# Altium PCB PCB2.PcbDoc
Units mil, origin at the board's own origin, x right, y up, seen from the top; angles counter-clockwise.
Board outline 3700 x 2670 mil, 4 copper layers (Top Layer, Mid Layer 1, Mid Layer 2, Bottom Layer), stack 61.811 mil thick; 88 components, 154 nets, 522 pads, 83 vias.
Unrouted connection lines stored in the file: 284.
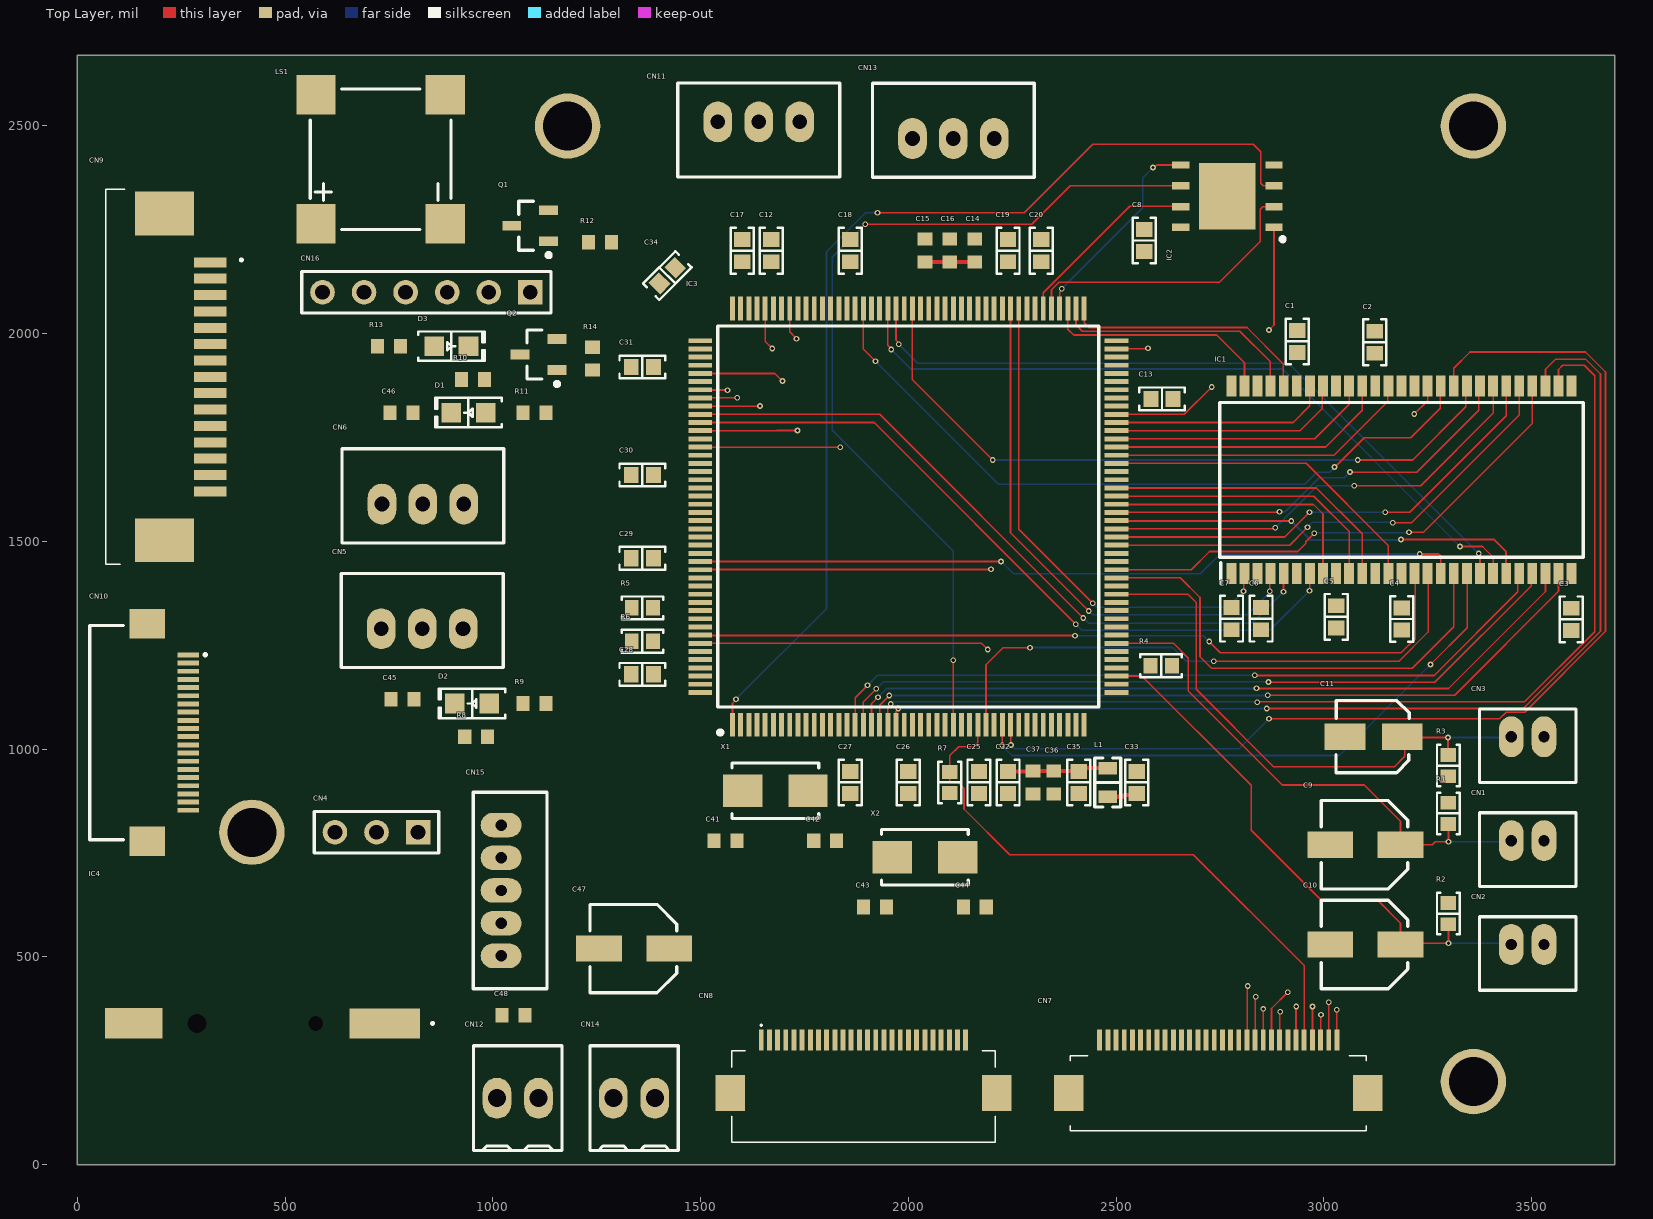
[diagram p0: Top Layer view]
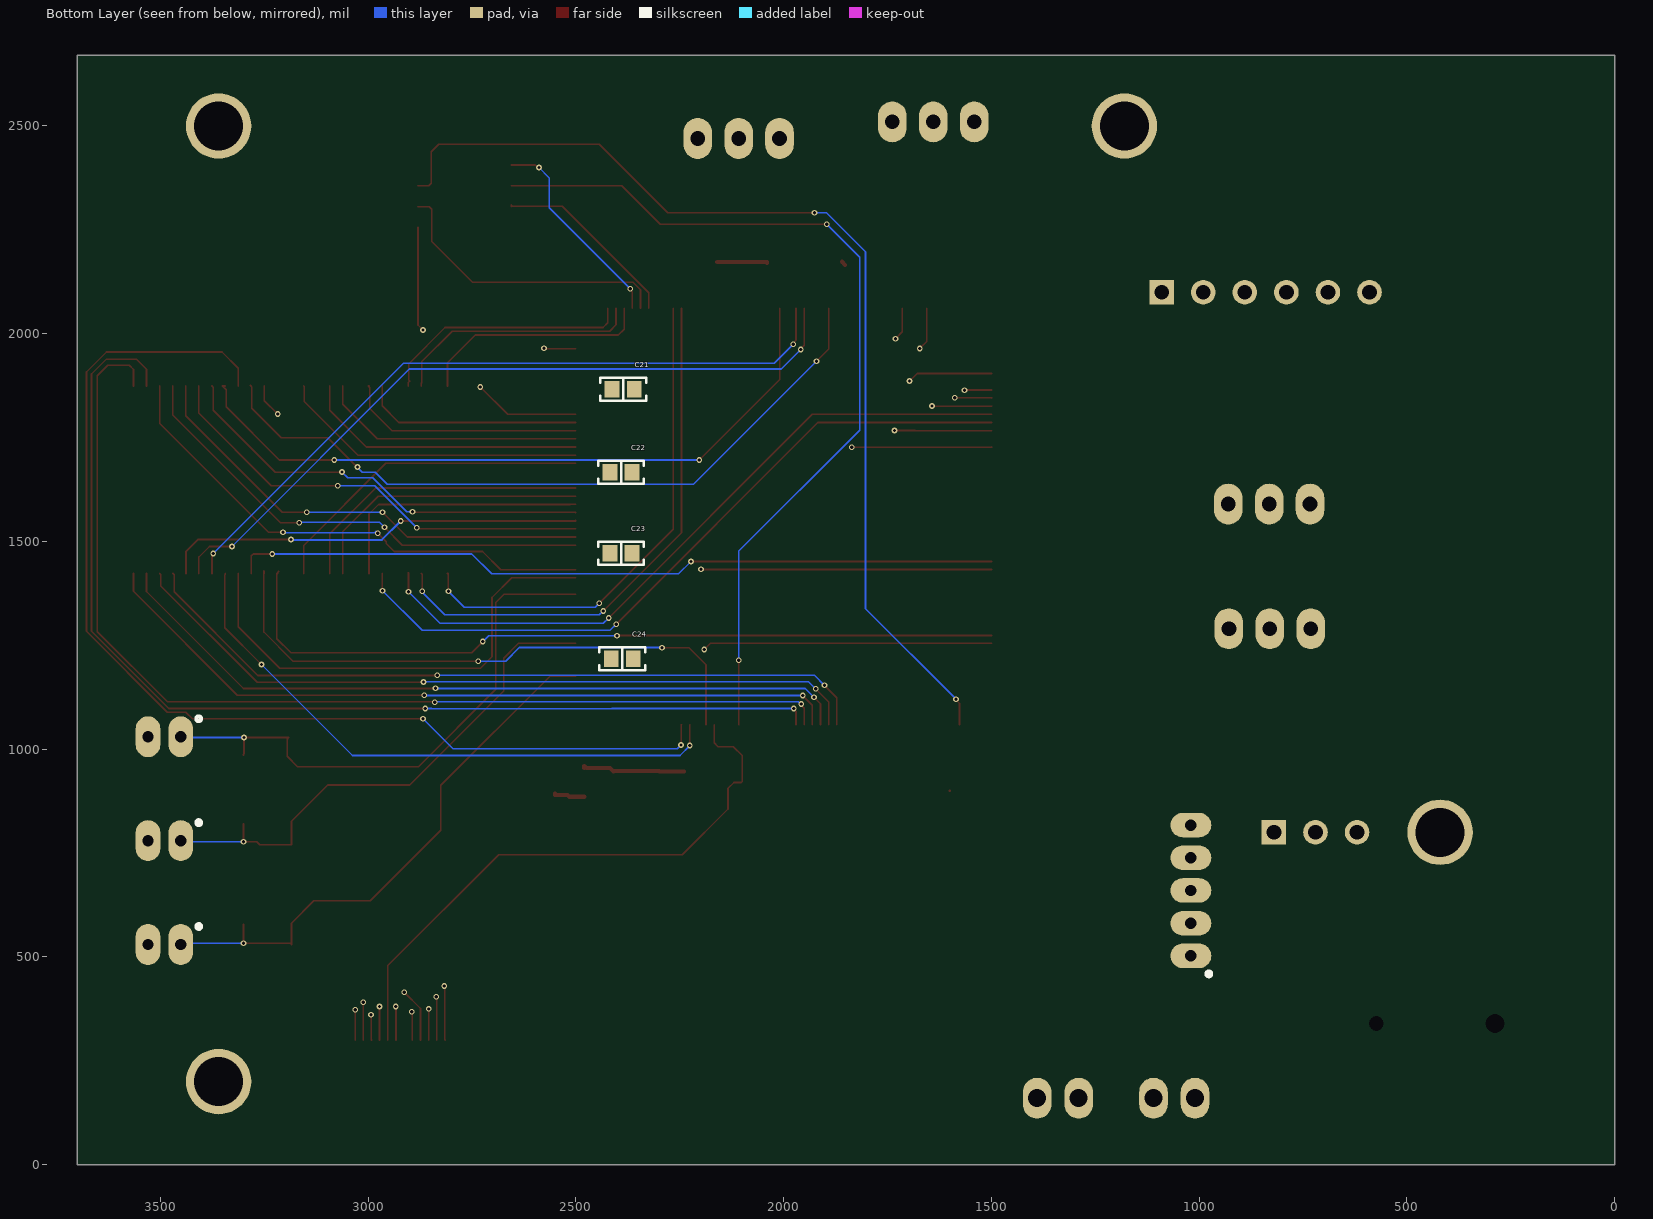
[diagram p1: Bottom Layer view, seen from below]
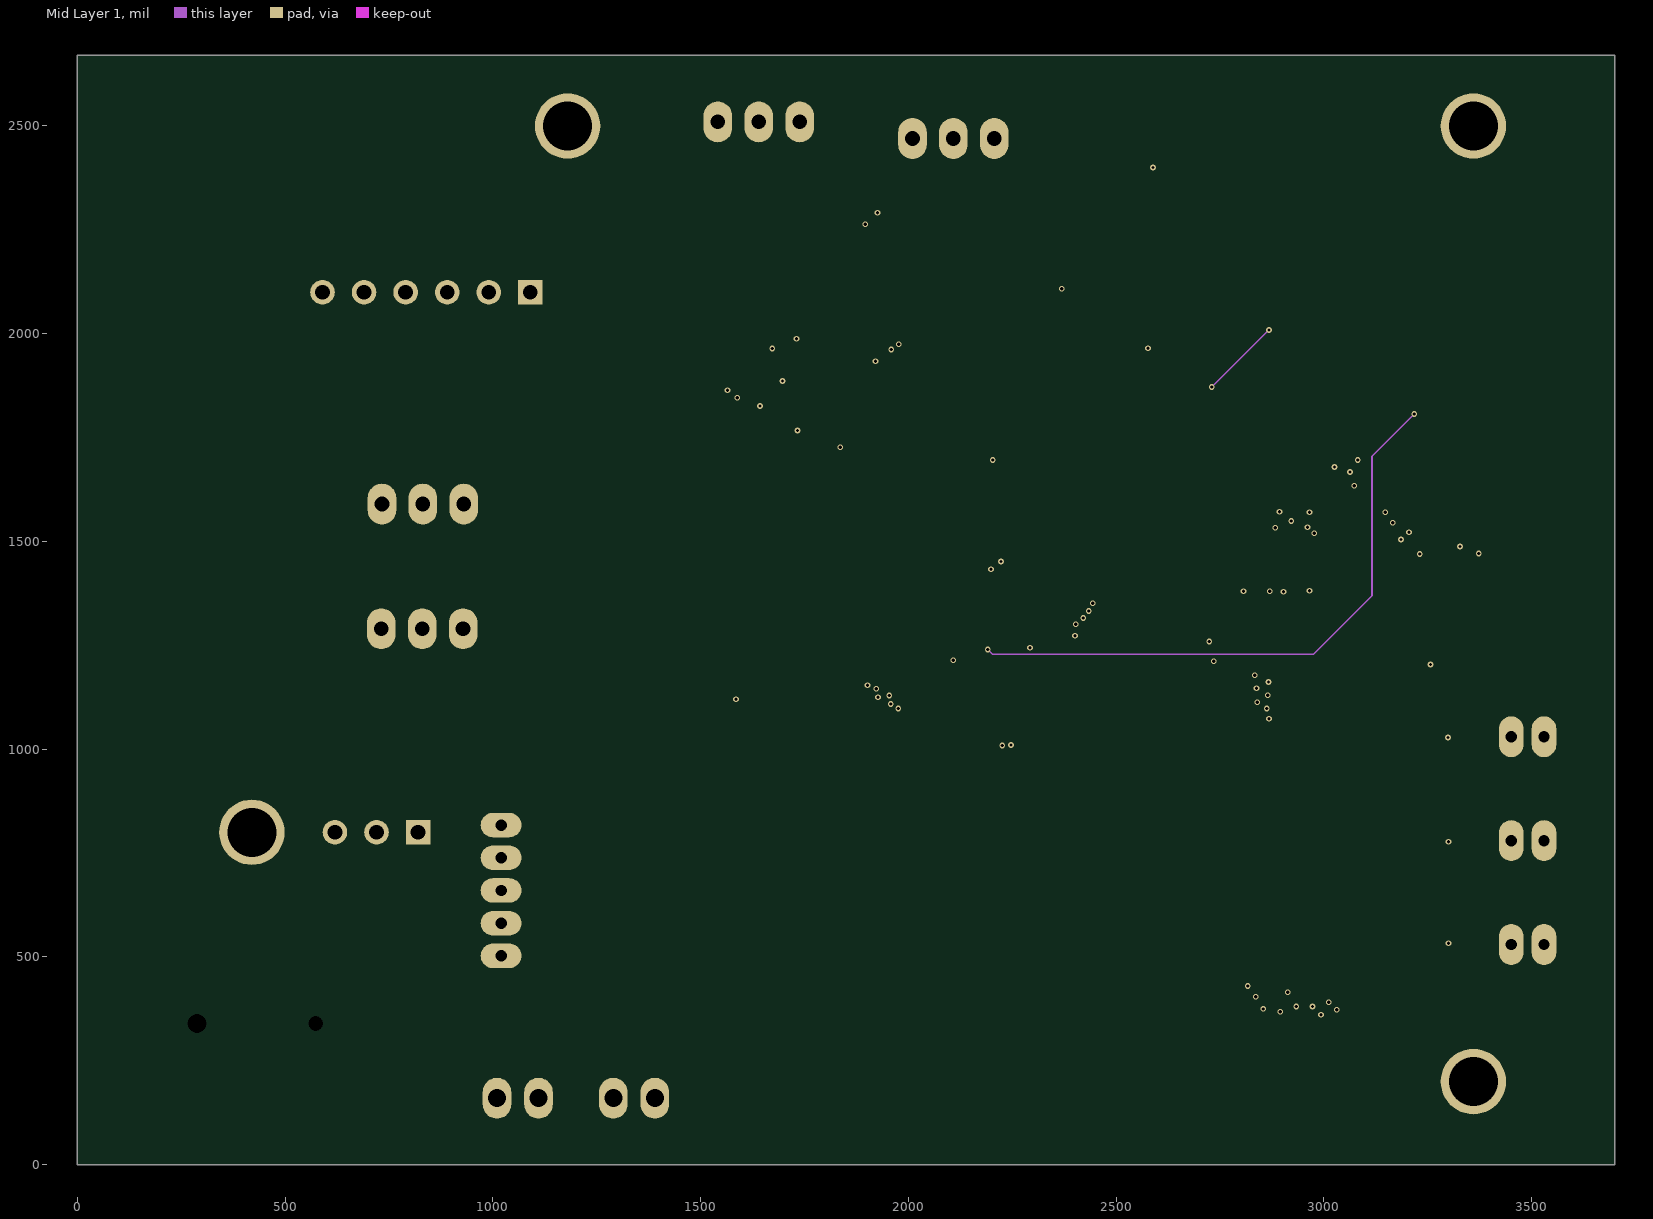
[diagram p2: Mid Layer 1]
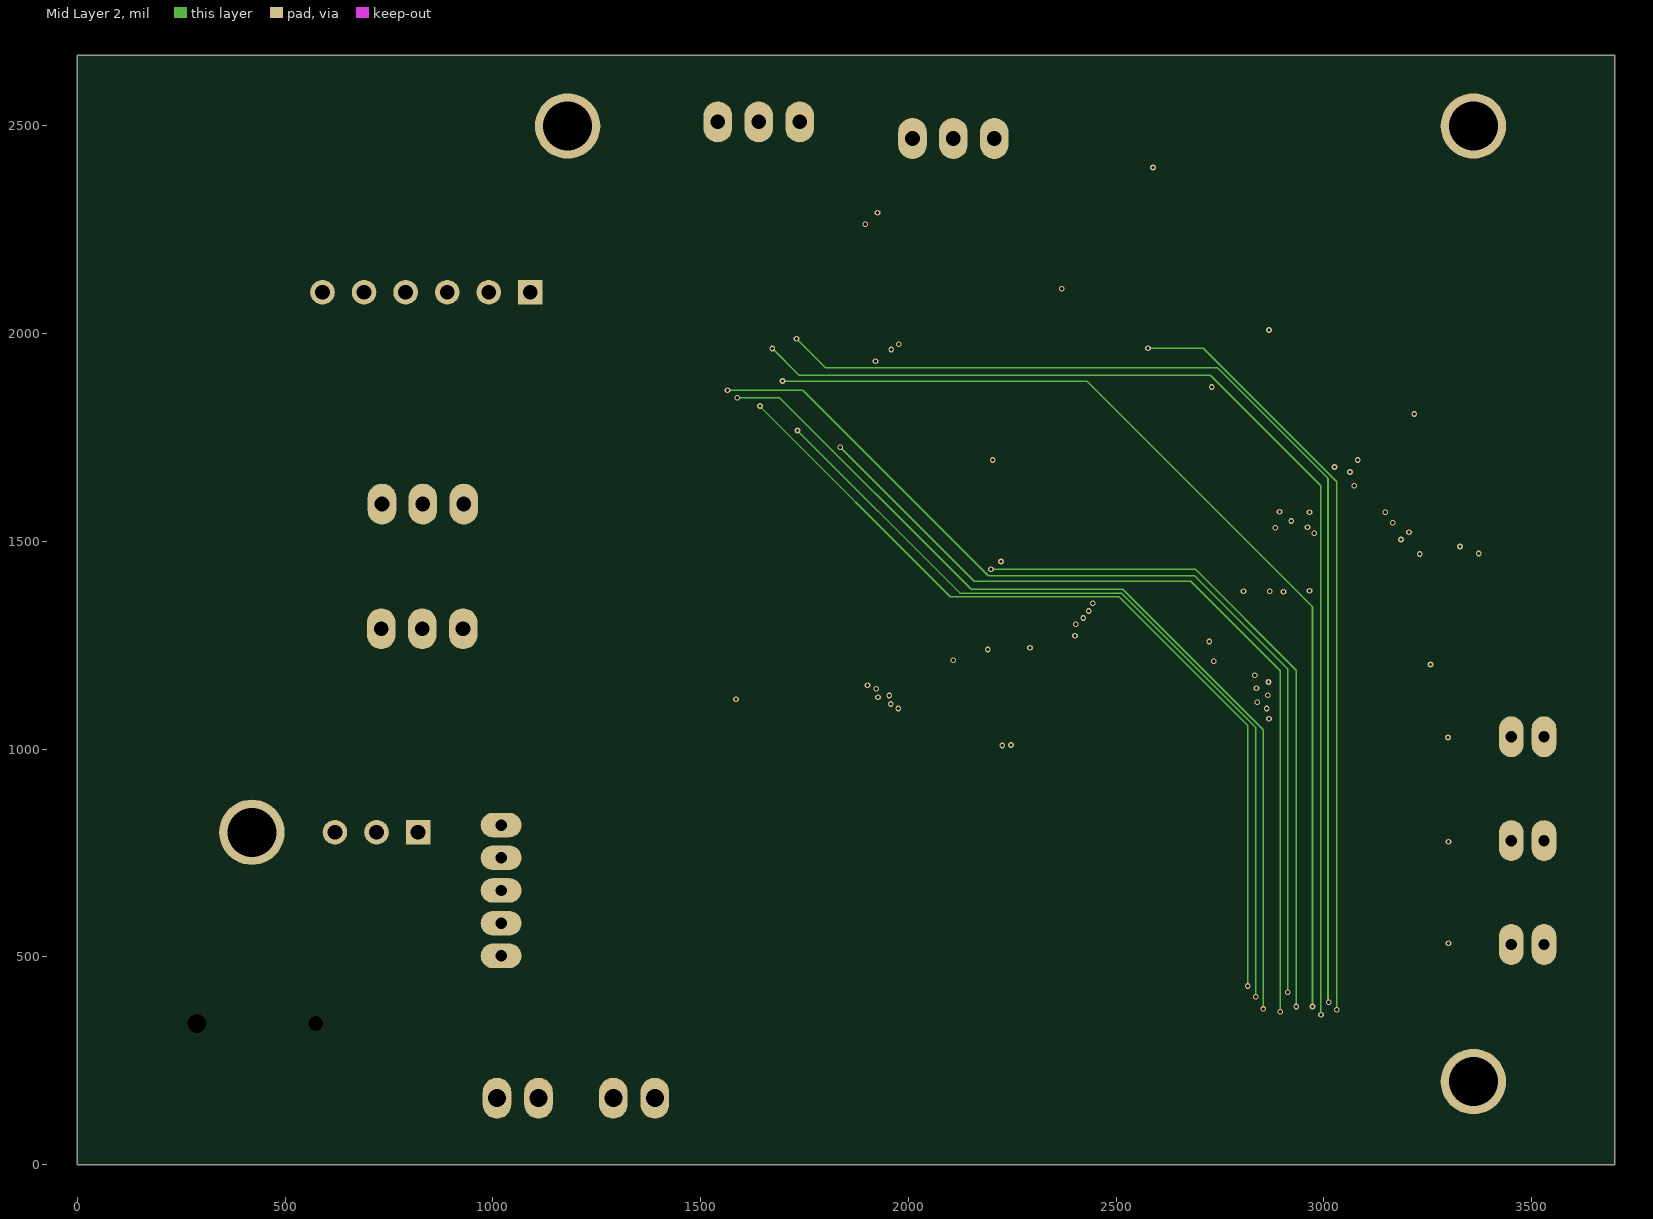
[diagram p3: Mid Layer 2]

## Layer stack, top to bottom
Top Solder: solder mask 0.5, Solder Resist, Dk 3.8
Top Layer: signal copper 1.378
Dielectric 1: prepreg 3.937, 2313, Dk 4.05
Mid Layer 1: signal copper 0.689
Core: core 49.8031, FR-4, Dk 4.5
Mid Layer 2: signal copper 0.689
Dielectric 2: prepreg 3.937, 2313, Dk 4.05
Bottom Layer: signal copper 1.378
Bottom Solder: solder mask 0.5, Solder Resist, Dk 3.8

## Board outline
0,0 0,2670 3700,2670 3700,0

## Design rules (kind name [scope] priority, off if disabled: settings)
BoardOutlineClearance [All] p1: gap=7.87 ignorepadtopadclearanceinfootprint=FALSE
Clearance [All] p1: gap=5 ignorepadtopadclearanceinfootprint=FALSE except(9.84: Arc-Hole Track-Hole SMDPad-Hole THPad-Hole Via-Hole Fill-Hole Poly-Hole Region-Hole Text-Hole)
ComponentClearance [All] p1: gap=5 collisioncheckmode=3 verticalgap=5 showdistances=TRUE
DiffPairsRouting [All] p1: maxlimit=10 minlimit=5 mostfreqgap=10 toplayer_prefgap=5 toplayer_minwidth=5 toplayer_maxwidth=1000 toplayer_prefwidth=5 midlayer1_mingap=10 midlayer1_minwidth=15 midlayer1_maxwidth=15 midlayer1_prefwidth=15 midlayer2_mingap=10 midlayer2_minwidth=15 midlayer2_maxwidth=15 midlayer2_prefwidth=15 bottomlayer_prefgap=5 bottomlayer_minwidth=5 bottomlayer_maxwidth=1000 bottomlayer_prefwidth=5 maxuncoupledlength=500
Height [All] p1: minheight=0 maxheight=71497.94 prefheight=500
HoleSize [All] p1: absolutevalues=TRUE maxlimit=7.87 minlimit=7.87 maxpercent=80.000 minpercent=20.000
HoleToHoleClearance [All] p1: gap=9.84 allowstackedmicrovias=FALSE
MatchedLengths MatchedLengths_4 [InNetClass('uSD_D[0..3]')] p1: tolerance=400 checknetsindiffpair=FALSE checkdiffpairvsdiffpair=TRUE checkxsignals=TRUE checkothers=TRUE
MatchedLengths MatchedLengths_3 [InNetClass('SIO[0..3]')] p2: tolerance=400 checknetsindiffpair=FALSE checkdiffpairvsdiffpair=TRUE checkxsignals=TRUE checkothers=TRUE
MatchedLengths MatchedLengths_2 [InNetClass('DQ[0..15]')] p3: tolerance=400 checknetsindiffpair=FALSE checkdiffpairvsdiffpair=TRUE checkxsignals=TRUE checkothers=TRUE
MatchedLengths MatchedLengths_1 [InNetClass('DOUT[0..9]')] p4: tolerance=400 checknetsindiffpair=FALSE checkdiffpairvsdiffpair=TRUE checkxsignals=TRUE checkothers=TRUE
MatchedLengths [InNetClass('A[0..12]')] p5: tolerance=400 checknetsindiffpair=FALSE checkdiffpairvsdiffpair=TRUE checkxsignals=TRUE checkothers=TRUE
MinimumAnnularRing [All] p1: minimumring=2.95
MinimumSolderMaskSliver [All] p1: minsoldermaskwidth=0
PlaneClearance [All] p1: clearance=5
PlaneConnect PlaneConnectPowerPads [InPadClass('PowerPads')] p1: planeconnectstyle=Direct reliefexpansion=20 reliefentries=4 reliefconductorwidth=10 reliefairgap=10
PlaneConnect [All] p2: pad.planeconnectstyle=Relief pad.reliefexpansion=11.81 pad.reliefentries=4 pad.reliefconductorwidth=5 pad.reliefairgap=5 via.planeconnectstyle=Direct via.reliefexpansion=11.81 via.reliefentries=4 via.reliefconductorwidth=5 via.reliefairgap=5
PolygonConnect PolygonConnectPowerPads [All vs (InPadClass('PowerPads'))] p1: connectstyle=Direct reliefconductorwidth=10 reliefentries=4 polygonreliefangle="90 Angle" airgapwidth=10
PolygonConnect [All] p2: thpad.connectstyle=Relief thpad.reliefconductorwidth=5 thpad.reliefentries=4 thpad.polygonreliefangle="90 Angle" thpad.airgapwidth=5 smdpad.connectstyle=Relief smdpad.reliefconductorwidth=5 smdpad.reliefentries=4 smdpad.polygonreliefangle="90 Angle" smdpad.airgapwidth=5 via.connectstyle=Direct via.reliefconductorwidth=5 via.reliefentries=4 via.polygonreliefangle="90 Angle" via.airgapwidth=5
RoutingVias [All] p1: holewidth=7.87 width=13.78 viastyle="Through Hole" minholewidth=7.87 minwidth=13.78 maxholewidth=7.87 maxwidth=13.78
SilkToSilkClearance [All] p1: silktosilkclearance=0
SilkToSolderMaskClearance [IsPad] p1: minsilkscreentomaskgap=5 clearancetoexposedcopper=TRUE
SolderMaskExpansion [All] p1: expansion=2.95 istentingtop=FALSE
Width Width_2 [InNet('5V')] p1: maxlimit=10 minlimit=10 preferedwidth=10
Width Width_1 [InNet('3V3')] p2: maxlimit=10 minlimit=10 preferedwidth=10
Width [All] p3: maxlimit=1000 minlimit=4 preferedwidth=4 midlayer1_maxwidth=10 midlayer2_maxwidth=10 minimp=50.000000 maximp=50.000000 favimp=50.000000
20 further rules are at their usual default settings.

## Classes and differential pairs
net class uSD_D[0..3]: uSD_D0 uSD_D1 uSD_D2 uSD_D3
net class STEP[1..5]: STEP1 STEP2 STEP3 STEP4 STEP5
net class SIO[0..3]: SIO0 SIO1 SIO2 SIO3
net class DQ[0..15]: DQ0 DQ1 DQ2 DQ3 DQ4 DQ5 DQ6 DQ7 DQ8 DQ9 DQ10 DQ11 DQ12 DQ13 DQ14 DQ15
net class DOUT[0..9]: DOUT0 DOUT1 DOUT2 DOUT3 DOUT4 DOUT5 DOUT6 DOUT7 DOUT8 DOUT9
net class DIR[1..5]: DIR1 DIR2 DIR3 DIR4 DIR5
net class A[0..12]: A0 A1 A2 A3 A4 A5 A6 A7 A8 A9 A10 A11 A12
component class Misc: C45 C46 CN5 CN6 D1 D2 D3 LS1 Q1 Q2 R8 R9 R10 R11 R12 R13 R14
component class Memory: C1 C2 C3 C4 C5 C6 C7 C8 IC1 IC2
component class MCU: C12 C13 C14 C15 C16 C17 C18 C19 C20 C21 C22 C23 C24 C25 C26 C27 C28 C29 C30 C31 C32 C33 C34 C35 C36 C37 C41 C42 C43 C44 CN4 IC3 IC4 L1 R4 R5 R6 R7 X1 X2
component class Connectors: C47 C48 CN7 CN8 CN9 CN10 CN11 CN12 CN13 CN14 CN15 CN16
component class ADC: C9 C10 C11 CN1 CN2 CN3 R1 R2 R3

## Components (designator, comment, footprint, x,y, rotation, side; value= is the part's Value field where it differs from the comment)
C1 "0.1 µF" "CAP 0603_1608" 2936,1981.43 r270 top
C2 "0.1 µF" "CAP 0603_1608" 3123,1979.43 r270 top
C3 "0.1 µF" "CAP 0603_1608" 3596,1312.43 r90 top
C4 "0.1 µF" "CAP 0603_1608" 3188,1313.43 r90 top
C5 "0.1 µF" "CAP 0603_1608" 3030,1318.43 r90 top
C6 "0.1 µF" "CAP 0603_1608" 2849,1314.43 r90 top
C7 "0.1 µF" "CAP 0603_1608" 2778,1314.43 r90 top
C8 "0.1 µF" "CAP 0603_1608" 2568,2224.43 r90 top
C9 "10µF" "CAP ALSMD 5.3MM H5.4MM" 3100,770 r180 top
C10 "10µF" "CAP ALSMD 5.3MM H5.4MM" 3100,530 r180 top
C11 "4.7µF" "CAP ALSMD POLY 4.3MM H5.5MM" 3120,1030 r180 top
C12 "2.2 µF" "CAP 0603_1608" 1670,2200 r270 top
C13 "2.2 µF" "CAP 0603_1608" 2610.57,1843 r180 top
C14 "X5R" 1608[0603] 2160,2200 r90 top value=2u2
C15 "X5R" 1608[0603] 2040,2200 r90 top value=2u2
C16 "X5R" 1608[0603] 2100,2200 r90 top value=100nF
C17 "0.1 µF" "CAP 0603_1608" 1600,2200 r270 top
C18 "0.1 µF" "CAP 0603_1608" 1860,2200 r270 top
C19 "0.1 µF" "CAP 0603_1608" 2240,2200 r270 top
C20 "0.1 µF" "CAP 0603_1608" 2320,2200 r270 top
C21 "0.1 µF" "CAP 0603_1608" 2386.43,1866 r0 bottom
C22 "0.1 µF" "CAP 0603_1608" 2391.43,1667 r0 bottom
C23 "0.1 µF" "CAP 0603_1608" 2391.43,1472 r0 bottom
C24 "0.1 µF" "CAP 0603_1608" 2388.43,1218 r0 bottom
C25 "0.1 µF" "CAP 0603_1608" 2170,920 r90 top
C26 "0.1 µF" "CAP 0603_1608" 2000,920 r90 top
C27 "0.1 µF" "CAP 0603_1608" 1860,920 r90 top
C28 "0.1 µF" "CAP 0603_1608" 1360,1180 r0 top
C29 "0.1 µF" "CAP 0603_1608" 1360,1460 r0 top
C30 "0.1 µF" "CAP 0603_1608" 1360,1660 r0 top
C31 "0.1 µF" "CAP 0603_1608" 1360,1920 r0 top
C32 "1µF" "CAP 0603_1608" 2240,920 r90 top
C33 "4.7 µF" "CAP 0603_1608" 2550,920 r270 top
C34 "4.7 µF" "CAP 0603_1608" 1420,2140 r45 top
C35 "1µF" "CAP 0603_1608" 2410,920 r90 top
C36 "X5R" 1608[0603] 2350,920 r270 top value=100nF
C37 "X5R" 1608[0603] 2300,920 r270 top value=100nF
C41 "X5R" 1608[0603] 1560,780 r180 top value=4pF
C42 "X5R" 1608[0603] 1800,780 r0 top value=4pF
C43 "X5R" 1608[0603] 1920,620 r180 top value=6pF
C44 "X5R" 1608[0603] 2160,620 r0 top value=6pF
C45 "X5R" 1608[0603] 782.44,1120 r180 top value=100nF
C46 "X5R" 1608[0603] 780,1810 r180 top value=100nF
C47 "100µF" "CAP ALSMD POLY 5.3MM H6.0MM" 1340,520 r180 top
C48 "X5R" 1608[0603] 1050,360 r180 top value=100nF
CN1 "B2B-PH-K-S(LF)(SN)" "JST B2B-PH-K" 3490.63,780 r0 top
CN2 "B2B-PH-K-S(LF)(SN)" "JST B2B-PH-K" 3490.63,530 r0 top
CN3 "B2B-PH-K-S(LF)(SN)" "JST B2B-PH-K" 3490.63,1030 r0 top
CN4 "Header 3" HDR1X3 820,800 r180 top
CN5 "B3B-XH-A(LF)(SN)" "JST XH B3B-XH-A" 830,1290 r180 top
CN6 "B3B-XH-A(LF)(SN)" "JST XH B3B-XH-A" 831.57,1590 r180 top
CN7 "FH12-30S-0.5SH" FH1230S05SH 2746.06,172.05 r180 top
CN8 "FH12-26S-0.5SH_55_" FH1226S05SH55 1892.05,195.67 r0 top
CN9 "1-84953-5" 1849535 174.33,1896.22 r270 top
CN10 "FH12-20S-0.5SH_55_" FH12-20S-0.5SH(55) 250,1040 r90 top
CN11 "B3B-XH-A(LF)(SN)" "JST XH B3B-XH-A" 1640,2510 r0 top
CN12 "282834-2" "TE 282834-2" 1060,160 r180 top
CN13 "B3B-XH-A(LF)(SN)" "JST XH B3B-XH-A" 2108.43,2470 r180 top
CN14 "282834-2" "TE 282834-2" 1340,160 r180 top
CN15 "B5B-PH-K-S(LF)(SN)" "JST B5B-PH-K" 1020,660 r90 top
CN16 "Header 6" HDR1X6 1090,2100 r180 top
D1 "Green" "LED 0805_2012 GREEN" 941.34,1810 r180 top
D2 "Green" "LED 0805_2012 GREEN" 950,1110 r180 top
D3 "Green" "LED 0805_2012 GREEN" 900,1970 r0 top
IC1 "IS42S16160G-6TL" SOP80P1176X120-54N 3186.98,1648.51 r90 top
IC2 "MX25L25645GZNI-08G" SON127P600X500X80-9N-D 2768,2331 r180 top
IC3 "STM32F779IIT6" QFP50P2600X2600X160-176N 2000,1560 r90 top locked
IC4 "CR1220-H-SMD" CR1220HSMD 435.67,340 r180 top
L1 "FCM1608KF-601T03" "IND 0603_1608 RF WW" 2480,920 r270 top value=27nH
LS1 "SMT-0827-S-2-R" "PUI Audio SMT-0827-S-2-R" 730,2420 r90 top
Q1 "MMBT3904" SOT-23_N 1090,2260 r180 top
Q2 "MMBT3904" SOT-23_N 1110,1950 r180 top
R1 "4.7 kOhms" "RES 0603_1608" 3300,845.59 r90 top
R2 "4.7 kOhms" "RES 0603_1608" 3300,604.41 r90 top
R3 "2.2 kOhms" "RES 0603_1608" 3300,960.41 r270 top
R4 "10k" "RES 0603_1608" 2608.59,1201 r0 top
R5 "10k" "RES 0603_1608" 1360,1340 r180 top
R6 "10k" "RES 0603_1608" 1360,1260 r0 top
R7 "10k" "RES 0603_1608" 2100,920 r270 top
R8 "Res1" 1608[0603] 960,1030 r180 top value=10k
R9 "Res1" 1608[0603] 1100,1110 r180 top value=220R
R10 "Res1" 1608[0603] 952.44,1890 r180 top value=10k
R11 "Res1" 1608[0603] 1100,1810 r180 top value=220R
R12 "Res1" 1608[0603] 1257.56,2220 r180 top value=1k
R13 "Res1" 1608[0603] 750,1970 r0 top value=220R
R14 "Res1" 1608[0603] 1240,1940 r270 top value=1k
X1 "32.768kHz" "NDK NX5032GA" 1680,900 r0 top value="25 MHz"
X2 "25 MHz" "NDK NX5032GA" 2040,740 r0 top

## Footprints (in the part's own frame and the unit in brackets; to place one, negate y for a bottom-side part, rotate by r counter-clockwise, add the part's x,y. Pads: shape width x height; smd on the part's side, far side on the other; paste and mask are expansions set on the pad)
1608[0603] [mm] "Chip Capacitor, Body 1.6x0.8mm, IPC High Density"
  rect 0.8x0.9 smd: 1(-0.7,0) 2(0.7,0)
  body extent -0.87,-0.48 0.87,0.48, height 1.3
1849535 [mm]
  rect 0.61x2 smd: 1(-7,3.7) 2(-6,3.7) 3(-5,3.7) 4(-4,3.7) 5(-3,3.7) 6(-2,3.7) 7(-1,3.7) 8(0,3.7) 9(1,3.7) 10(2,3.7) 11(3,3.7) 12(4,3.7) 13(5,3.7) 14(6,3.7) 15(7,3.7)
  rect 2.68x3.6 smd: MP1(-9.99,0.9) MP2(9.99,0.9)
  silkscreen extent -11.46,-2.7 11.46,5.65, body extent -11.46,-2.61 11.46,3.94, height 2.66
"CAP 0603_1608" [mm] "Chip Capacitor, 2-Leads, Body 1.60x0.80mm, IPC Medium Density"
  rect 0.9x1 smd: 1(-0.675,0) 2(0.675,0)
  silkscreen extent -1.4,-0.7 1.4,0.7, body extent -0.8,-0.41 0.8,0.41, height 0.82
"CAP ALSMD 5.3MM H5.4MM" [mm] "Aluminum Electrolytic Capacitor, Body 5.30x5.30x5.40mm, IPC Low Density"
  rect 2.8x1.6 smd: 1(-2.15,0) 2(2.15,0)
  silkscreen extent -2.6,-2.7 2.7,2.7, body extent -2.95,-2.7 2.95,2.7, height 5.4
"CAP ALSMD POLY 4.3MM H5.5MM" [mm] "Aluminum Polymer Capacitor, Body 4.30x4.30x5.50mm, IPC Low Density"
  rect 2.5x1.6 smd: 1(-1.75,0) 2(1.75,0)
  silkscreen extent -2.17,-2.21 2.3,2.2, body extent -2.3,-2.2 2.3,2.2, height 5.5
"CAP ALSMD POLY 5.3MM H6.0MM" [mm] "Aluminum Polymer Capacitor, Body 5.30x5.30x6.0mm, IPC Medium Density"
  rect 2.8x1.6 smd: 1(-2.15,0) 2(2.15,0)
  silkscreen extent -2.6,-2.7 2.7,2.7, body extent -2.95,-2.7 2.95,2.7, height 6
CR1220HSMD [mm]
  rect 4.32x1.82 smd: 1(-7.73,0)
  rect 3.52x1.87 smd: 2(7.63,0)
  round 0.45 hole 0.9 unplated: MH1(-3.5,0)
  round 0.58 hole 1.16 unplated: MH2(3.75,0)
  silkscreen extent -10.7,-0.05 -10.6,0.05, body extent -9.6,-7.37 9.2,7.38, height 4.21
FH12-20S-0.5SH(55) [mm]
  rect 0.3x1.3 smd: 1(4.75,-0.422) 2(4.25,-0.422) 3(3.75,-0.422) 4(3.25,-0.422) 5(2.75,-0.422) 6(2.25,-0.422) 7(1.75,-0.422) 8(1.25,-0.422) 9(0.75,-0.422) 10(0.25,-0.422) 11(-0.25,-0.422) 12(-0.75,-0.422) 13(-1.25,-0.422) 14(-1.75,-0.422) 15(-2.25,-0.422) 16(-2.75,-0.422) 17(-3.25,-0.422) 18(-3.75,-0.422) 19(-4.25,-0.422) 20(-4.75,-0.422)
  rect 1.8x2.2 smd: 21(-6.65,2.078) 22(6.65,2.078)
  silkscreen extent -6.55,-1.53 6.55,5.6
FH1226S05SH55 [mm]
  rect 0.3x1.3 smd: 1(-6.25,2.65) 2(-5.75,2.65) 3(-5.25,2.65) 4(-4.75,2.65) 5(-4.25,2.65) 6(-3.75,2.65) 7(-3.25,2.65) 8(-2.75,2.65) 9(-2.25,2.65) 10(-1.75,2.65) 11(-1.25,2.65) 12(-0.75,2.65) 13(-0.25,2.65) 14(0.25,2.65) 15(0.75,2.65) 16(1.25,2.65) 17(1.75,2.65) 18(2.25,2.65) 19(2.75,2.65) 20(3.25,2.65) 21(3.75,2.65) 22(4.25,2.65) 23(4.75,2.65) 24(5.25,2.65) 25(5.75,2.65) 26(6.25,2.65)
  rect 1.8x2.2 smd: MP1(-8.15,-0.6) MP2(8.15,-0.6)
  silkscreen extent -8.05,-3.6 8.05,3.6, body extent -8.87,-3.6 8.87,3.27, height 2.3
FH1230S05SH [mm]
  rect 0.3x1.3 smd: 1(-7.25,-3.25) 2(-6.75,-3.25) 3(-6.25,-3.25) 4(-5.75,-3.25) 5(-5.25,-3.25) 6(-4.75,-3.25) 7(-4.25,-3.25) 8(-3.75,-3.25) 9(-3.25,-3.25) 10(-2.75,-3.25) 11(-2.25,-3.25) 12(-1.75,-3.25) 13(-1.25,-3.25) 14(-0.75,-3.25) 15(-0.25,-3.25) 16(0.25,-3.25) 17(0.75,-3.25) 18(1.25,-3.25) 19(1.75,-3.25) 20(2.25,-3.25) 21(2.75,-3.25) 22(3.25,-3.25) 23(3.75,-3.25) 24(4.25,-3.25) 25(4.75,-3.25) 26(5.25,-3.25) 27(5.75,-3.25) 28(6.25,-3.25) 29(6.75,-3.25) 30(7.25,-3.25)
  rect 1.8x2.2 smd: MP1(-9.15,0) MP2(9.15,0)
  silkscreen extent -9.05,-2.3 9.05,2.3
HDR1X3 [mm] "Connector; Header; 3 Position"
  rect 1.5x1.5 hole 0.9: 1(0,0)
  round 1.5 hole 0.9: 2(2.54,0) 3(5.08,0)
  silkscreen extent -1.27,-1.27 6.35,1.27
HDR1X6 [mm] "Connector; Header; 6 Position"
  rect 1.5x1.5 hole 0.9: 1(0,0)
  round 1.5 hole 0.9: 2(2.54,0) 3(5.08,0) 4(7.62,0) 5(10.16,0) 6(12.7,0)
  silkscreen extent -1.27,-1.27 13.97,1.27
"IND 0603_1608 RF WW" [mm] "Chip Inductor, 2-Leads, Body 1.65x0.99mm, IPC Medium Density"
  rect 0.76x1.13 smd: 1(-0.875,0) 2(0.875,0)
  silkscreen extent -1.5,-0.8 1.5,0.8, body extent -0.84,-0.58 0.83,0.58, height 1
"JST B2B-PH-K" [mm]
  oval 1.5x2.5 hole 0.7: 1(-1,0) 2(1,0)
  silkscreen extent -2.95,-2.8 2.95,1.7, body extent -2.95,-2.8 2.95,1.7, height 6
"JST B5B-PH-K" [mm]
  oval 1.5x2.5 hole 0.7: 1(-4,0) 2(-2,0) 3(0,0) 4(2,0) 5(4,0)
  silkscreen extent -6,-2.8 6,1.7, body extent -5.95,-2.8 5.95,1.7, height 6